# Altium PCB STM32-ROMI_Rev_A-Reworks.PcbDoc (part 1 of 2) (continued)
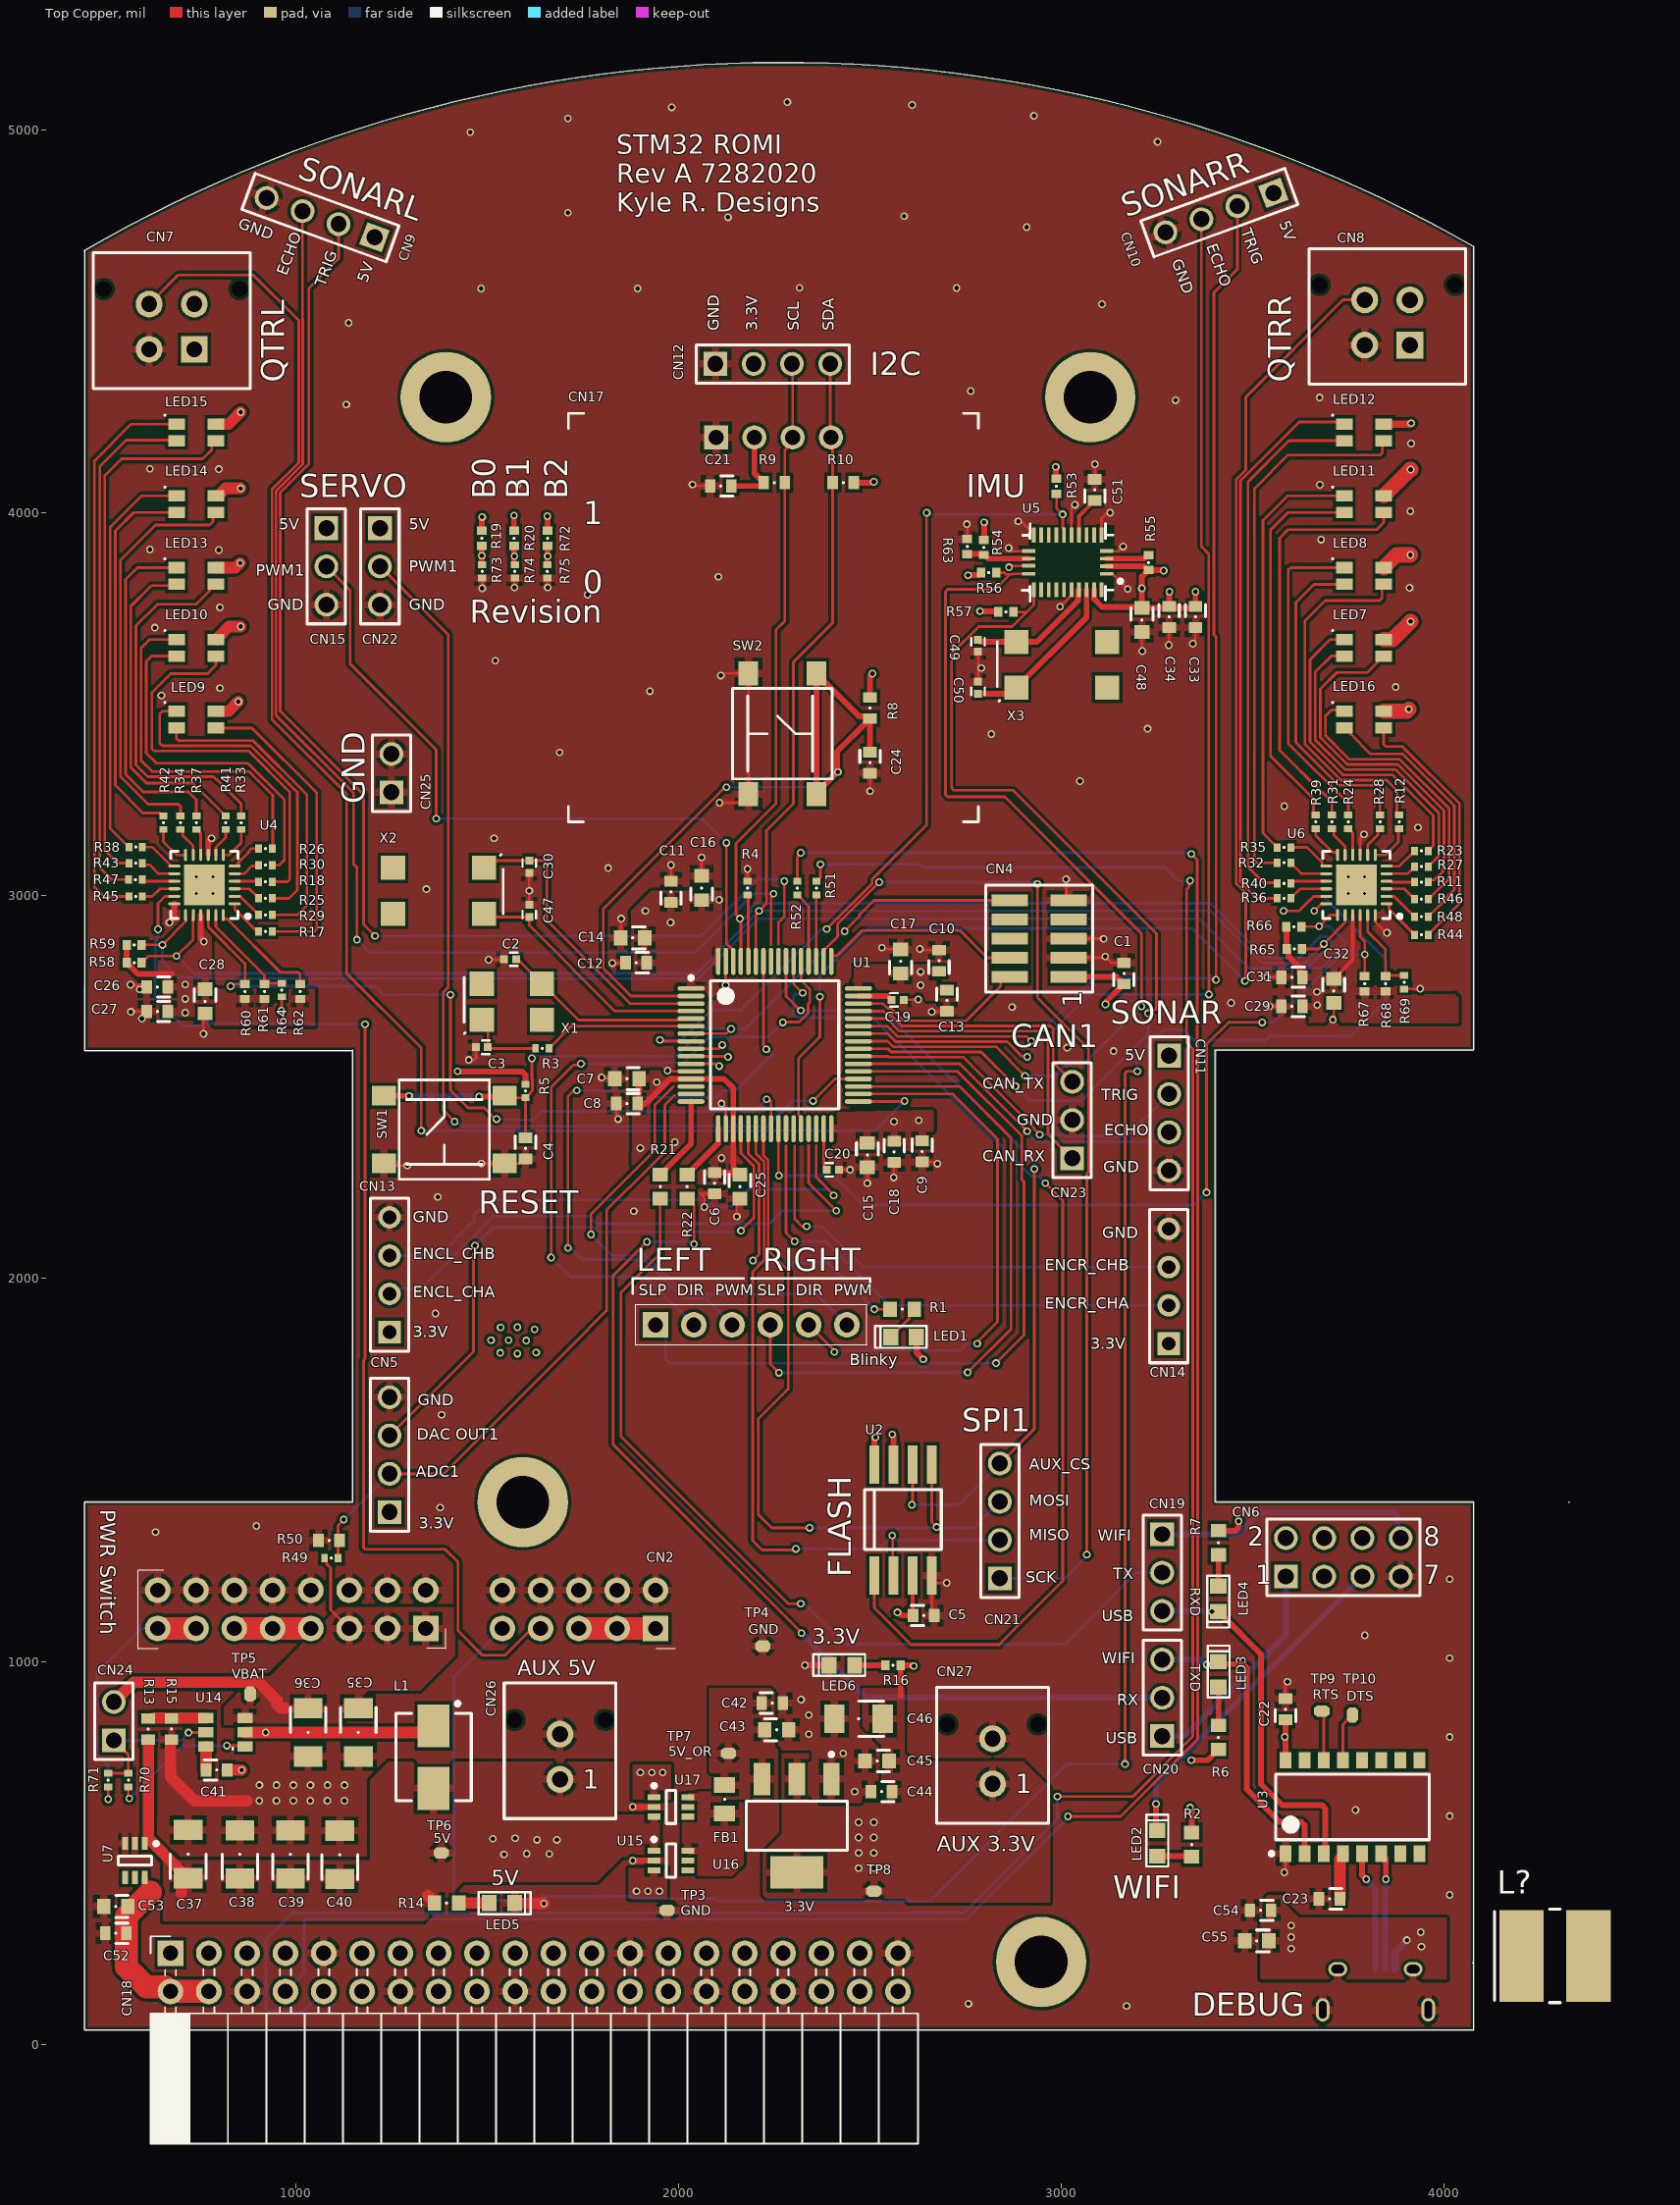
[diagram p0: Top Copper view]
## Part data (continued)
L1: library part "FIXED IND 3.3UH 5.5A 28 MOHM SMD", "Power Inductors 3.3uH ±20% 5.5A SMD,5.2x4.7x3mm RoHS", LCSC=C351097, Manufacturer Part=YSPI0530-3R3M, ComponentLink1Description=https://datasheet.lcsc.com/szlcsc/1812181731_YJYCOIN-YSPI0530-3R3M_C351097.pdf, ComponentLink1URL=https://datasheet.lcsc.com/szlcsc/1812181731_YJYCOIN-YSPI0530-3R3M_C351097.pdf
L?: library part L/4.7uH/3A, "FIXED IND 4.7UH 3A 37.6 MOHM SMD", Current Rating (Amps)=3A, Current Saturation (Amps)=4A, DC Resistance (DCR)="37.6mOhm Max", Manufacturer Part Number=SRN6045-4R7Y, Datasheet=https://www.bourns.com/data/global/pdfs/SRN6045.pdf, Inductance=4.7uH, Shielding=Semi-Shielded, Size / Dimension="0.236\" L x 0.236\" W (6.00mm x 6.00mm)"
LED1 LED2 LED3 LED4 LED5 LED6: library part LTST-C191KGKT, "LED GREEN CLEAR THIN 0603 SMD", Color=Green, Current - Test=20mA, Luminous Flux @ Current - Test=-, Manufacturer="Lite-On Inc", Millicandela Rating=35mcd, Package / Case="0603 (1608 Metric)", Supplier Part Number 1=160-1446-1-ND, Voltage - Forward (Vf) (Typ)=2V, Category=Optoelectronics, ComponentLink1Description=http://optoelectronics.liteon.com/upload/download/DS22-2000-228/S_110_LTST-C191KGKT.pdf, ComponentLink1URL=http://optoelectronics.liteon.com/upload/download/DS22-2000-228/S_110_LTST-C191KGKT.pdf, Height=0.55mm, Lens Style/Size="Rectangle with Flat Top, 1.1mm x 0.8mm", Lens Type=Clear, Manufacturer Part Number=LTST-C191KGKT, Mounting Type="Surface Mount", Packaging="Cut Tape (CT)", Pricing 1="1=0.3, 10=0.238, 100=0.1296, 250=0.0864, 500=0.07344, 1000=0.05616, 2500=0.05076 (USD)", RoHS="RoHS Compliant", Size / Dimension="1.60mm L x 0.80mm W", Stock 1=84829, Supplier 1=Digi-Key, Viewing Angle=130°, Wavelength - Dominant=571nm, Wavelength - Peak=574nm
LED7 LED8 LED9 LED10 LED11 LED12 LED13 LED14 LED15 LED16: library part "RGB LED", "RGB 620NMRED, 520NMGREEN, 465NMBLUE SMD,", Supplier Part Number 1=C375571, ComponentLink1Description=Datasheet, ComponentLink1URL=https://datasheet.lcsc.com/szlcsc/1912111437_EKINGLUX-E6C1206RGBC3UDA_C375571.pdf, Supplier 1=LCSC
R1: "576OHMS ±1% 1/10W 0603", Manufacturer Part Number=0603WAF5760T5E, Part Size=0603, Part Supplier 1=LCSC
R2 R6 R7 R14: library part "RES 1K OHM 1% 1/10W 0603", "1.0K 0603", Manufacturer="Stackpole Electronics Inc.", Manufacturer Part Number=RMCF0603FT1K00, Operating Temperature="-55°C ~ 155°C", Package / Case=0603, Power (Watts)="0.1W, 1/10W", Resistance (Ohms)=1.0k, Supplier Part Number 1=RMCF0603FT1K00CT-ND, Temperature Coefficient=±100ppm/°C, Tolerance=±1%, Category=Resistors, ComponentLink1Description=https://www.seielect.com/Catalog/SEI-RMCF_RMCP.pdf, ComponentLink1URL=https://www.seielect.com/Catalog/SEI-RMCF_RMCP.pdf, Composition="Thick Film", Failure Rate=-, Features="Automotive AEC-Q200", Height - Seated (Max)="0.022\" (0.55mm)", Packaging="Cut Tape (CT)", Part Status=Active, Pricing 1="1=0.1, 10=0.02, 100=0.0081, 1000=0.00364, 2500=0.00316 (USD)", RoHS="RoHS Compliant", Size / Dimension="0.061\" L x 0.031\" W (1.55mm x 0.80mm)", Stock 1=411308, Supplier 1=Digi-Key, Supplier Device Package=0603
R3: library part "RES 220 OHM 1% 1/10W 0402", "220 0402", Manufacturer="Panasonic Electronic Components", Manufacturer Part Number=ERJ-2RKF2200X, Operating Temperature="-55°C ~ 155°C", Package / Case="0402 (1005 Metric)", Power (Watts)="0.1W, 1/10W", Supplier Device Package=0402, Supplier Part Number 1=P220LCT-ND, Temperature Coefficient=±100ppm/°C, Tolerance=±1%, Category=Resistors, ComponentLink1Description=http://industrial.panasonic.com/www-cgi/jvcr13pz.cgi?E+PZ+3+AOA0002+ERJ2RKF2200X+7+WW, ComponentLink1URL=http://industrial.panasonic.com/www-cgi/jvcr13pz.cgi?E+PZ+3+AOA0002+ERJ2RKF2200X+7+WW, Composition="Thick Film", Creator=osman, Features="Automotive AEC-Q200", Height="0.016\" (0.40mm)", Number of Terminations=2, Packaging="Cut Tape (CT)", Pricing 1="1=0.1, 50=0.0196, 100=0.0149, 250=0.01104, 500=0.00816, 1000=0.00544, 5000=0.00383 (USD)", Resistance (Ohms)=220, RoHS="RoHS Compliant", Size / Dimension="0.039\" L x 0.020\" W (1.00mm x 0.50mm)", Stock 1=372365, Supplier 1=Digi-Key
R4 R51 R52 R64 R69 R71 R73 R74 R75: library part "RES 0.0 OHM JUMPER 1/10W 0402", "0.0 0402", Manufacturer="Panasonic Electronic Components", Manufacturer Part Number=ERJ-2GE0R00X, Operating Temperature="-55°C ~ 155°C", Package / Case="0402 (1005 Metric)", Power (Watts)="0.1W, 1/10W", Resistance (Ohms)=0.0, Supplier Device Package=0402, Supplier Part Number 1=P0.0JCT-ND, Temperature Coefficient=-, Tolerance=Jumper, Category=Resistors, ComponentLink1Description=http://industrial.panasonic.com/www-cgi/jvcr13pz.cgi?E+PZ+3+AOA0001+ERJ2GE0R00X+7+WW, ComponentLink1URL=http://industrial.panasonic.com/www-cgi/jvcr13pz.cgi?E+PZ+3+AOA0001+ERJ2GE0R00X+7+WW, Composition="Thick Film", Creator=osman, Features="Automotive AEC-Q200", Height="0.016\" (0.40mm)", Number of Terminations=2, Packaging="Cut Tape (CT)", Pricing 1="1=0.1, 50=0.0138, 100=0.0105, 250=0.0078, 500=0.00576, 1000=0.00384, 5000=0.0027 (USD)", RoHS="RoHS Compliant", Size / Dimension="0.039\" L x 0.020\" W (1.00mm x 0.50mm)", Stock 1=8429476, Supplier 1=Digi-Key
R5 R49 R70: library part "RES 100K OHM 1% 1/16W 0402", Manufacturer=Yageo, Manufacturer Part Number=RC0402FR-07100KL, Operating Temperature="-55°C ~ 155°C", Package / Case="0402 (1005 Metric)", Power (Watts)="0.1W, 1/10W", Resistance (Ohms)=100k, Supplier Device Package=0402, Supplier Part Number 1=311-100KLRCT-ND, Temperature Coefficient=±100ppm/°C, Tolerance=±1%, Category=Resistors, ComponentLink1Description=http://industrial.panasonic.com/www-cgi/jvcr13pz.cgi?E+PZ+3+AOA0002+ERJ2RKF1003X+7+WW, ComponentLink1URL=http://industrial.panasonic.com/www-cgi/jvcr13pz.cgi?E+PZ+3+AOA0002+ERJ2RKF1003X+7+WW, Composition="Thick Film", Features="Automotive AEC-Q200", Height="0.016\" (0.40mm)", Number of Terminations=2, Packaging="Cut Tape (CT)", Pricing 1="1=0.1, 50=0.0196, 100=0.0149, 250=0.01104, 500=0.00816, 1000=0.00544, 5000=0.00383 (USD)", RoHS="RoHS Compliant", Size / Dimension="0.039\" L x 0.020\" W (1.00mm x 0.50mm)", Stock 1=3706939, Supplier 1=Digi-Key, Supplier 2=Digi-Key, Supplier Part Number 2=RMCF0402FT100KCT-ND
R8 R9 R10 R15 R50: library part "RES 10K OHM 1/10W 1% 0603 SMD", "10K 0603", Manufacturer="Panasonic Electronic Components", Manufacturer Part Number=ERJ-3EKF1002V, Package / Case=0603, Power (Watts)="0.1W, 1/10W", Resistance (Ohms)=10k, Supplier Part Number 1=P10.0KHCT-ND, Temperature Coefficient=±100ppm/°C, Tolerance=±1%, Category=Resistors, ComponentLink1Description=http://industrial.panasonic.com/www-cgi/jvcr13pz.cgi?E+PZ+3+AOA0002+ERJ3EKF1002V+7+WW, ComponentLink1URL=http://industrial.panasonic.com/www-cgi/jvcr13pz.cgi?E+PZ+3+AOA0002+ERJ3EKF1002V+7+WW, Composition="Thick Film", Features=-, Height="0.022\" (0.55mm)", Number of Terminations=2, Packaging="Cut Tape (CT)", Pricing 1="1=0.1, 50=0.015, 100=0.0114, 250=0.00844, 500=0.00624, 1000=0.00416, 2500=0.00351 (USD)", RoHS="RoHS Compliant", Size / Dimension="0.063\" L x 0.031\" W (1.60mm x 0.80mm)", Stock 1=5046430, Supplier 1=Digi-Key, Supplier Device Package=0603
R11 R12 R17 R18 R23 R24 R25 R26 R31 R32 R33 R34 R35 R36 R37 R38 R43 R44 R45 R46: library part "RES 604 OHM 1% 1/10W 0402", "604 0402", Manufacturer="Panasonic Electronic Components", Manufacturer Part Number=ERA-2AEB6040X, Operating Temperature="-55°C ~ 155°C", Package / Case="0402 (1005 Metric)", Power (Watts)="0.063W, 1/16W", Supplier Device Package=0402, Supplier Part Number 1=P604DCCT-ND, Temperature Coefficient=±25ppm/°C, Tolerance=±0.1%, Category=Resistors, ComponentLink1Description=https://industrial.panasonic.com/cdbs/www-data/pdf/RDM0000/AOA0000C307.pdf, ComponentLink1URL=https://industrial.panasonic.com/cdbs/www-data/pdf/RDM0000/AOA0000C307.pdf, Composition="Thin Film", Failure Rate=-, Features="Automotive AEC-Q200", Height - Seated (Max)="0.016\" (0.40mm)", Packaging="Cut Tape (CT)", Part Status=Active, Pricing 1="1=0.45, 10=0.321, 100=0.1283, 1000=0.06322, 2500=0.05858, 5000=0.053 (USD)", RoHS="RoHS Compliant", Size / Dimension="0.039\" L x 0.020\" W (1.00mm x 0.50mm)", Stock 1=12841, Supplier 1=Digi-Key
R13: library part "RES SMD 56.2K OHM 1% 1/10W 0603", "RES SMD 56.2K OHM 1% 1/10W 0603", Package / Case=0603, Power (Watts)=0.1W, Supplier Part Number 1=P56.2KHCT-ND, Temperature Coefficient=±100ppm/°C, Resistance=56.2K, Supplier 1=Digi-Key
R16: library part "RES 100 OHM 1% 1/16W 0402", "100 0402", Manufacturer=Yageo, Manufacturer Part Number=RC0402FR-07100RL, Operating Temperature="-55°C ~ 155°C", Package / Case="0402 (1005 Metric)", Power (Watts)="0.063W, 1/16W", Supplier Device Package=0402, Supplier Part Number 1=311-100LRCT-ND, Temperature Coefficient=±100ppm/°C, Tolerance=±1%, Category=Resistors, ComponentLink1Description=http://www.yageo.com/documents/recent/PYu-RC_Group_51_RoHS_L_8.pdf, ComponentLink1URL=http://www.yageo.com/documents/recent/PYu-RC_Group_51_RoHS_L_8.pdf, Composition="Thick Film", Failure Rate=-, Features="Moisture Resistant", Height - Seated (Max)="0.016\" (0.40mm)", Packaging="Cut Tape (CT)", Part Status=Active, Pricing 1="1=0.1, 10=0.014, 100=0.0056, 1000=0.00253, 2500=0.0022, 5000=0.00181 (USD)", RoHS="RoHS Compliant", Size / Dimension="0.039\" L x 0.020\" W (1.00mm x 0.50mm)", Stock 1=14557677, Supplier 1=Digi-Key
R19 R20 R53 R54 R55 R61 R62 R63 R68 R72: library part "RES 10K OHM 1% 1/16W 0402", "10K 0402", Manufacturer="Samsung Electro-Mechanics", Manufacturer Part Number=RC1005F103CS, Operating Temperature="-55°C ~ 155°C", Package / Case="0402 (1005 Metric)", Power (Watts)="0.063W, 1/16W", Supplier Device Package=0402, Supplier Part Number 1=1276-3431-1-ND, Temperature Coefficient=±100ppm/°C, Tolerance=±1%, Category=Resistors, ComponentLink1Description=http://www.samsungsem.com/kr/support/product-search/chip-resistor/RC1005F103CS.jsp, ComponentLink1URL=http://www.samsungsem.com/kr/support/product-search/chip-resistor/RC1005F103CS.jsp, Composition="Thick Film", Failure Rate=-, Features="Moisture Resistant", Height - Seated (Max)="0.016\" (0.40mm)", Packaging="Cut Tape (CT)", Part Status=Active, Pricing 1="1=0.1, 10=0.021, 100=0.0086, 1000=0.00385, 2500=0.00334, 5000=0.00276 (USD)", RoHS="RoHS Compliant", Size / Dimension="0.039\" L x 0.020\" W (1.00mm x 0.50mm)", Stock 1=25834562, Supplier 1=Digi-Key
R21 R22: library part "RES 0.0 OHM 1/4W JUMP 0603 SMD", Manufacturer="Vishay Dale", Manufacturer Part Number=CRCW06030000Z0EAHP, Package / Case=0603, Power (Watts)=1/4W, Resistance (Ohms)=0.0, Supplier Device Package="0603 (1608 Metric)", Supplier Part Number 1=541-0.0SBCT-ND, Temperature Coefficient=-, Tolerance=Jumper, Category=Resistors, ComponentLink1Description=http://www.vishay.com/docs/20043/crcwhpe3.pdf, ComponentLink1URL=http://www.vishay.com/docs/20043/crcwhpe3.pdf, Composition="Thick Film", Features="Automotive AEC-Q200 Qualified, Pulse Withstanding", Height="0.022\" (0.55mm)", Number of Terminations=2, Packaging="Cut Tape (CT)", Pricing 1="10=0.202, 50=0.1088, 200=0.0625, 1000=0.04263 (USD)", RoHS="RoHS Compliant", Size / Dimension="0.063\" L x 0.033\" W (1.60mm x 0.85mm)", Stock 1=204741, Supplier 1=Digi-Key
R27 R28 R29 R30 R39 R40 R41 R42 R47 R48: library part "RES 1K OHM 1% 1/16W 0402", "1K 0402", Case Code (Imperial)=0402, Case Code (Metric)=1005, Manufacturer=Yageo, Manufacturer Part Number=RC0402FR-071KL, Max Operating Temperature=155°C, Min Operating Temperature=-55°C, Power Rating=62.5mW, Supplier Part Number 1=311-1.00KLRCT-ND, Temperature Coefficient=100ppm/°C, Tolerance=1%, Voltage Rating=50V, Case/Package=0402, Category=Resistors, ComponentLink1Description=https://datasheet.ciiva.com/2453/pyu-r-int-thick-7-2453361.pdf, ComponentLink1URL=https://datasheet.ciiva.com/2453/pyu-r-int-thick-7-2453361.pdf, ComponentLink2Description=https://datasheet.ciiva.com/2453/pyu-r-int-thick-7-2453362.pdf, ComponentLink2URL=https://datasheet.ciiva.com/2453/pyu-r-int-thick-7-2453362.pdf, ComponentLink3Description=https://datasheet.ciiva.com/2453/pyu-r-int-thick-7-2453363.pdf, ComponentLink3URL=https://datasheet.ciiva.com/2453/pyu-r-int-thick-7-2453363.pdf, ComponentLink4Description=https://datasheet.ciiva.com/22747/1018594-22747509.pdf, ComponentLink4URL=https://datasheet.ciiva.com/22747/1018594-22747509.pdf, ComponentLink5Description=https://datasheet.ciiva.com/15189/getdatasheetpartid-323696-15189334.pdf, ComponentLink5URL=https://datasheet.ciiva.com/15189/getdatasheetpartid-323696-15189334.pdf, ComponentLink6Description=https://datasheet.ciiva.com/16740/pyu-rc0402-51-rohs-l-6-r-16740567.pdf, ComponentLink6URL=https://datasheet.ciiva.com/16740/pyu-rc0402-51-rohs-l-6-r-16740567.pdf, ComponentLink7Description=https://datasheet.ciiva.com/12667/pyu-rc0402-51-rohs-l-6-r-12667930.pdf, ComponentLink7URL=https://datasheet.ciiva.com/12667/pyu-rc0402-51-rohs-l-6-r-12667930.pdf, ComponentLink8Description=https://datasheet.ciiva.com/11819/0900766b80c66297-11819452.pdf, ComponentLink8URL=https://datasheet.ciiva.com/11819/0900766b80c66297-11819452.pdf, ComponentLink9Description=https://datasheet.ciiva.com/11819/0900766b80c66297-11819477.pdf, ComponentLink9URL=https://datasheet.ciiva.com/11819/0900766b80c66297-11819477.pdf, ComponentLink10Description=https://datasheet.ciiva.com/12666/pyu-rc0402-51-rohs-l-6-r-12666741.pdf, ComponentLink10URL=https://datasheet.ciiva.com/12666/pyu-rc0402-51-rohs-l-6-r-12666741.pdf, ComponentLink11Description=https://datasheet.ciiva.com/17063/pyu-rc0402-51-rohs-l-6-r-17063193.pdf, ComponentLink11URL=https://datasheet.ciiva.com/17063/pyu-rc0402-51-rohs-l-6-r-17063193.pdf, ComponentLink12Description=https://datasheet.ciiva.com/22747/1018594-22747513.pdf, ComponentLink12URL=https://datasheet.ciiva.com/22747/1018594-22747513.pdf, ComponentLink13Description=https://datasheet.ciiva.com/7849/1018594-7849869.pdf, ComponentLink13URL=https://datasheet.ciiva.com/7849/1018594-7849869.pdf, ComponentLink14Description=https://datasheet.ciiva.com/7983/1018594-7983502.pdf, ComponentLink14URL=https://datasheet.ciiva.com/7983/1018594-7983502.pdf, ComponentLink15Description=https://datasheet.ciiva.com/7849/1018594-7849871.pdf, ComponentLink15URL=https://datasheet.ciiva.com/7849/1018594-7849871.pdf, Composition="Thick Film", Depth=0.5mm, Height=0.32mm, Lead Free="Lead Free", Length=1mm, Military Standard=Not, Number of Pins=2, Package / Case=0402, Packaging="Tape and Reel", Pricing 1="1=0.1, 10=0.014, 100=0.0056, 1000=0.0025, 2500=0.0022, 5000=0.0018 (USD)", REACH SVHC=Unknown, Resistance=1K, Stock 1=21888659, Supplier 1=Digi-Key, Termination=SMD/SMT, Voltage Rating (DC)=50V, Width=0.5mm
R56 R57 R58 R59 R60 R65 R66 R67: library part "RES 4.7K OHM 1% 1/10W 0402", "4.7K 0402", Case Code (Imperial)=0402, Case Code (Metric)=1005, Manufacturer=Yageo, Manufacturer Part Number=RC0402FR-074K7L, Max Operating Temperature=155°C, Min Operating Temperature=-55°C, Power Rating=62.5mW, Resistance=4.7KR, Resistance (Ohms)=4.7k, Supplier Part Number 1=311-4.7KLRCT-ND, Temperature Coefficient=100ppm/°C, Tolerance=±1%, Voltage Rating=50V, Case/Package=0402, Category=Resistors, ComponentLink1Description=http://industrial.panasonic.com/www-cgi/jvcr13pz.cgi?E+PZ+3+AOA0002+ERJ2RKF4701X+7+WW, ComponentLink1URL=http://industrial.panasonic.com/www-cgi/jvcr13pz.cgi?E+PZ+3+AOA0002+ERJ2RKF4701X+7+WW, ComponentLink2Description=https://datasheet.ciiva.com/11819/0900766b80c66297-11819507.pdf, ComponentLink2URL=https://datasheet.ciiva.com/11819/0900766b80c66297-11819507.pdf, ComponentLink3Description=https://datasheet.ciiva.com/7850/1018594-7850022.pdf, ComponentLink3URL=https://datasheet.ciiva.com/7850/1018594-7850022.pdf, ComponentLink4Description=https://datasheet.ciiva.com/7850/1018594-7850023.pdf, ComponentLink4URL=https://datasheet.ciiva.com/7850/1018594-7850023.pdf, ComponentLink5Description=https://datasheet.ciiva.com/15215/getdatasheetpartid-328119-15215035.pdf, ComponentLink5URL=https://datasheet.ciiva.com/15215/getdatasheetpartid-328119-15215035.pdf, ComponentLink6Description=https://datasheet.ciiva.com/22661/1686128-22661342.pdf, ComponentLink6URL=https://datasheet.ciiva.com/22661/1686128-22661342.pdf, Composition="Thick Film", Depth=0.5mm, Height=0.32mm, Lead Free="Lead Free", Length=1mm, Military Standard=Not, Number of Pins=2, Package / Case=0402, Packaging="Tape and Reel", Pricing 1="1=0.1, 10=0.014, 100=0.0056, 1000=0.0025, 2500=0.0022, 5000=0.0018 (USD)", REACH SVHC="No SVHC", Stock 1=3132666, Supplier 1=Digi-Key, Termination=SMD/SMT, Width=0.5mm
SW1 SW2: library part "SW-PB SMD 5mm Red", "SWITCH TACTILE SPST-NO 0.05A 12V", Contact Rating @ Voltage="0.05A @ 12VDC", Illumination Type, Color=-, Manufacturer="C&K Components", Manufacturer Part Number="PTS645SK50SMTR92 LFS", Operating Force=260gf, Operating Temperature="-20°C ~ 60°C", Supplier Part Number 1=CKN9087CT-ND, Actuator Height off PCB, from Pins=5.00mm, Actuator Material="Polyamide (PA66), Nylon 6/6", Actuator Orientation="Top Actuated", Actuator Type=Standard, Category=Switches, Circuit=SPST-NO, ClassName=USwitch, ComponentLink1Description=http://www.ck-components.com/14409/pts645_25apr13.pdf/, ComponentLink1URL=http://www.ck-components.com/14409/pts645_25apr13.pdf/, Features=-, Illumination=Non-Illuminated, Illumination Voltage (Nominal)=-, Ingress Protection=-, LatestRevisionDate=17-Jul-2002, LatestRevisionNote="Re-released for DXP Platform.", Mechanical Life="100,000 Cycles", Mounting Type="Surface Mount", Outline="6.00mm x 6.00mm", PackageDescription="Switch; 2 Leads", PackageReference=SPST-2, Packaging="Cut Tape (CT)", Pricing 1="1=0.28, 10=0.271, 25=0.262, 50=0.2524, 100=0.2384, 250=0.2244, 500=0.21506 (USD)", Published=24-Mar-1999, Publisher="Altium Limited", RoHS="RoHS Compliant", Stock 1=24906, Supplier 1=Digi-Key, Switch Function=Off-Mom, Switch Travel=-, Termination Style="Gull Wing", Text="SW-PB SMD 5mm Red"
TP3 TP4 TP5 TP6 TP7 TP8 TP9 TP10: library part TestPoint, "Test Point"
U1: "IC MCU 32BIT 1MB FLASH 64LQFP", Manufacturer=STMicroelectronics, Operating Temperature="-40°C ~ 85°C (TA)", Package / Case=64-LQFP, Supplier Device Package="64-LQFP (10x10)", Supplier Part Number 1=497-11767-ND, Voltage - Supply (Vcc/Vdd)="1.8 V ~ 3.6 V", Category="Integrated Circuits (ICs)", ComponentLink1Description=http://www.st.com/web/en/resource/technical/document/datasheet/DM00037051.pdf, ComponentLink1URL=http://www.st.com/web/en/resource/technical/document/datasheet/DM00037051.pdf, Connectivity="CAN, I²C, IrDA, LIN, SPI, UART/USART, USB OTG", Core Processor="ARM® Cortex®-M4", Core Size=32-Bit, Data Converters="A/D 16x12b, D/A 2x12b", EEPROM Size=-, Manufacturer Part Number=STM32F405RGT6, Number of I/O=51, Oscillator Type=Internal, Packaging=Tray, Peripherals="Brown-out Detect/Reset, DMA, I²S, LCD, POR, PWM, WDT", Pricing 1="1=10.93, 10=10.044, 100=8.4825, 500=7.5458, 1000=6.92132 (USD)", Program Memory Size="1MB (1M x 8)", Program Memory Type=FLASH, RAM Size="192K x 8", RoHS="RoHS Compliant", Speed=168MHz, Stock 1=14614, Supplier 1=Digi-Key
U2: "16M NOR Flash", Manufacturer=Macronix, Manufacturer Part Number=MX25L1606EM2I-12G, Operating Temperature="-40°C ~ 85°C", Package / Case="8-SOIC (0.209\", 5.30mm Width)", Supplier Device Package=8-SOP, Supplier Part Number 1=1092-1135-ND, Voltage - Supply="2.7 V ~ 3.6 V", Category="Integrated Circuits (ICs)", ComponentLink1Description=http://www.macronix.com/Lists/ApplicationNote/Attachments/654/AN055-Migrate_to_MX25L1606E_and_MX25L8006E-1.2.pdf, ComponentLink1URL=http://www.macronix.com/Lists/ApplicationNote/Attachments/654/AN055-Migrate_to_MX25L1606E_and_MX25L8006E-1.2.pdf, Format - Memory=FLASH, Interface="SPI Serial", Memory Size="16M (16M x 1, 8M x 2)", Memory Type="FLASH - NOR", MPN=MX25L1606EM2I-12G, Packaging=Tube, PN=1092-1135-ND, Pricing 1="1=1.04, 10=0.947, 50=0.9292, 100=0.8309, 250=0.82368, 500=0.81168, 1000=0.7824, 2500=0.76032, 5000=0.7128 (USD)", RoHS="RoHS Compliant", Speed=86MHz, Stock 1=1520, Supplier 1=Digi-Key, Vendor=Digikey
U3: "USB to Serial UART", ComponentLink1Description="Sparkfun Demo Board", ComponentLink1URL=https://www.sparkfun.com/products/15096, ComponentLink2Description="LCSC Part Link", ComponentLink2URL=https://lcsc.com/product-detail/USB_CH340C_C84681.html
U4 U6: library part CMP-001-0784-04, "IC I/O EXPANDER I2C SMBUS 24VQFN", Case/Package=VQFN, Manufacturer="Texas Instruments", Max Operating Temperature=85°C, Max Supply Voltage=5.5V, Min Operating Temperature=-40°C, Min Supply Voltage=1.65V, Interface="I2C, SMBus", Lead Free="Lead Free", Manufacturer Part Number=TCA9555RGER, Number of I/Os=16, Number of Pins=24, Packaging="Cut Tape", REACH SVHC="No SVHC"
U5: library part CMP-010-0024-02, "9-Axis Intertial Sensor", Manufacturer="Bosch Tools", Maximum Operating Temperature="+ 85 C", Minimum Operating Temperature="- 40 C", Operating Supply Current="13.7 mA", Package / Case=LGA-28, Supply Voltage - Max="3.6 V", Supply Voltage - Min="2.4 V", Acceleration="2 g, 4 g, 8 g, 16 g", Bandwidth="1000 Hz", Brand="Bosch Sensortec", Component Name=BNO055, ComponentLink1Description=http://www.mouser.com/ds/2/621/BST_BNO055_DS000_12~1-531239.pdf, ComponentLink1URL=http://www.mouser.com/ds/2/621/BST_BNO055_DS000_12~1-531239.pdf, Interface="HID-I2C, I2C, UART", Manufacturer Part Number=BNO055, Minimum Order Quantity=1, Packaging=Bulk, Pin Count=28, Pricing 1="1=17.58, 5=16.75, 10=16.43, 25=15.20, 50=15.01, 100=14.26, 250=13.30, 500=12.64, 1000=11.63 (AUD)", Product Status="New at Mouser", Reeling=False, Resolution="16 bit", RoHS="RoHS Compliant", RoHS - Mouser=Y, Sensing Axis=9-axis, Sensitivity="1 LSB/mg", Stock 1=5828
U7 U15 U17: library part LM66100DCKT, "OR Controller P-Channel 1.5A CC"
U14: "IC REG BUCK ADJ 3A TSOT23-6", Current - Output=3A, Frequency - Switching=650KHZ, Supplier Device Package=TSOT-23-6, Supplier Part Number 1=296-40813-1-ND, Voltage - Input (Max)=17V, Voltage - Input (Min)=4.5V, Voltage - Output (Max)=7V, Voltage - Output (Min/Fixed)=0.765V, Manufacturer Part Number=TPS563209DDCR, Supplier 1=Digi-Key, Topology=Buck
U16: library part LD1117S33, "3.3 volt fixed regulator, 800mA", Supplier Part Number 1=497-1242-1-ND, Supplier 1=Digi-Key
X1: library part "CRYSTAL 8MHZ ABM3", "8Mhz ABM3 Parallel Load Crystal", ESR (Equivalent Series Resistance)="200 Ohm", Frequency=8MHz, Frequency Stability=±50ppm, Frequency Tolerance=±20ppm, Load Capacitance=18pF, Manufacturer="Abracon Corporation", Manufacturer Part Number=ABM3B-8.000MHZ-B2-T, Operating Mode=Fundamental, Operating Temperature="-20°C ~ 70°C", Package / Case="4-SMD, No Lead (DFN, LCC)", Ratings=-, Supplier Part Number 1=535-9720-1-ND, Category="Crystals and Oscillators", ClassName=MCU, ComponentLink1Description=http://www.abracon.com/Resonators/abm3b.pdf, ComponentLink1URL=http://www.abracon.com/Resonators/abm3b.pdf, Height="0.043\" (1.10mm)", Mounting Type="Surface Mount", Packaging="Cut Tape (CT)", Pricing 1="1=1.04, 10=0.92, 50=0.8588, 100=0.76, 500=0.7182 (USD)", RoHS="RoHS Compliant", Size / Dimension="0.197\" L x 0.126\" W (5.00mm x 3.20mm)", Stock 1=22545, Supplier 1=Digi-Key, Type="MHz Crystal"
X2 X3: library part "DST310S 32.768KHz", "SMD CRYSTAL RESONATORS 32.768KHZ ±20PPM SMD-3215_2P ROHS", Supplier Part Number 1=535-10240-1-ND, Supplier 1=Digi-Key, Supplier 2=LCSC, Supplier Part Number 2=C93232

## Free pads (board coordinates)
  round 236.22 hole 137.8 unplated: 0(1392,4302) 1(3075,4302) 2(1593,1416) 3(2947,215)

## Via types
v1: diameter 20, hole 12, Top Copper to Bottom Copper, 356 vias
v2: diameter 19.68, hole 7.87, Top Copper to Bottom Copper, 8 vias

## Nets (pads, with @x,y where several pads share a name; then routed paths per layer and width w, separated by ;. In a path a pad name is that pad's centre, name@x,y a point inside that pad or via, vN(x,y) a via of type N, cw(c..) or ccw(c..) an arc to the next point about the centre after c; other vN are vias at no path point)
3.3V: C1.1 C5.1 C6.1 C7.1 C8.1 C9.1 C10.1 C11.1 C12.1 C13.1 C14.1 C15.1 C16.1 C17.1 C18.1 C21.1 C22.1 C25.1 C26.1 C27.1 C28.1 C29.1 C31.1 C32.1 C33.1 C34.1 C44.1 C45.1 C46.1 C48.1 CN4.1 CN5.1 CN6.2 CN6.6 CN7.1 CN7.3 CN8.1 CN8.3 CN12.2 CN13.1 CN14.1 CN17.2 CN27.1 LED1.1 R2.2 R5.2 R6.2 R7.2 R8.2 R9.2 R10.2 R16.2 R19.2 R20.2 R53.2 R54.2 R55.2 R56.2 R57.2 R58.2 R59.2 R60.2 R61.2 R62.2 R65.2 R66.2 R67.2 R68.2 R72.2 TP8.1 U1.1 U1.13 U1.19 U1.32 U1.48 U1.64 U2.3 U2.7 U2.8 U3.16 U4.21 U5.3 U5.28 U6.21 U16.2 U16.4 | length 3718.9
  Top Copper w10: 751.81,2888.19 v1(760,2880) ; U2.3@2611,1224 2611,1121.44 C5.1@2612.44,1120 ; C32.1@3711,2782.86 3712.97,2782.86 3725.69,2795.57 3725.69,2797.54 3760.42,2832.28 U6.21@3760.42,2949.1
  Top Copper w15: R59.2@558.39,2871.5 R58.2@558.39,2824.5 558.39,2822.54 564.22,2816.71 566.19,2816.71 587.68,2795.22 676.51,2795.22 ; 751.81,2888.19 U4.21@751.81,2949.1 ; v1(1422.5,2541) 1591.21,2541 1600,2532.21 R5.2@1600,2507.72 ; R19.2@1486,3953 1486,3986.65 1487,3987.65 v1(1487,3989) ; R20.2@1570,3953 v1(1570,3993) ; v1(1657,3991) 1657,3989.65 1658,3988.65 R72.2@1658,3953 ; C8.1@1892.56,2457 1896.5,2460.94 C7.1@1896.5,2522 ; C8.1@1899.62,2444 1899.62,2445.97 1909.84,2456.19 1911.81,2456.19 1963,2507.38 1963,2508 1976.42,2521.42 U1.13@2032.5,2521.42 2118.58,2521.42 2142.73,2497.27 U1.19@2142.73,2391.5 2142.73,2290.5 2147.81,2285.42 2147.81,2281.71 C25.1@2152.97,2276.56 ; C6.1@2094,2276.56 C25.1@2152.97,2276.56 ; C21.1@2137.56,4070 R9.2@2216.16,4070 ; C25.1@2158.03,2271.5 C25.1@2152.97,2276.56 ; CN17.2@2198,4197 2198,4103.24 2212.22,4089.01 2216.16,4089.01 2222.44,4082.73 R9.2@2222.44,4078.8 ; R10.2@2457.56,4078.8 2506.44,4078.8 2508.65,4081 v1(2510,4081) ; R8.2@2500,3517.56 2500,3572.65 2506,3578.65 v1(2506,3580) ; U2.8@2511,1514 2511,1580.65 2514,1583.65 v1(2514,1585) ; v1(2558,1593) 2558,1591.65 2561,1588.65 U2.7@2561,1514 ; v1(2571.57,1127.97) 2574.38,1127.97 2582.35,1120 C5.1@2612.44,1120 ; 2580,910 2579.69,910.31 R16.2@2579.69,990 2609.29,990 2611.29,988 v1(2614,988) ; LED1.1@2621,1847 2621,1807 v1(2639,1789) ; v1(2756,3837) 2783,3837 R56.2@2790,3844 ; v1(2787,3743) 2833.31,3743 R57.2@2835.31,3741 ; R54.2@2797,3929.37 2798,3930.37 v1(2798,3975) ; v1(2985,4120) 2985,4091.06 R53.2@2987,4089.06 ; CN4.1@3018.77,2788 3144,2788 3152.78,2779.21 3152.78,2775.72 C1.1@3159.06,2769.44 ; U5.28@3085.06,3799 3085.06,3774.94 3106,3754 3207.62,3754 C48.1@3210,3751.62 ; v1(3115,2716) 3115.96,2716.96 3115.96,2722.4 3152.78,2759.22 3152.78,2763.16 C1.1@3159.06,2769.44 ; U5.3@3117.54,3860.52 3214.83,3860.52 R55.2@3225.03,3850.31 ; C1.1@3163,2769.44 C1.1@3159.06,2769.44 ; v1(3267,3849) 3265.65,3849 3264.33,3850.31 R55.2@3227,3850.31 R55.2@3225.03,3850.31 ; C34.1@3281,3755.56 3281,3791.65 3282,3792.65 v1(3282,3794) ; v1(3336,618) 3336,616.65 3340,612.65 R2.2@3340,552.99 ; v1(3339,742) 3382,742 3397.81,757.81 3397.81,759.78 3408.03,770 R6.2@3410,770 ; v1(3350,3794) C33.1@3350,3755.56 3346.06,3751.62 C48.1@3210,3751.62 ; R7.2@3410,1341.5 3453.97,1341.5 3462.76,1350.28 3462.76,1366.24 v1(3462.59,1366.41) ; U3.16@3585,742.05 3585,799.65 3583,801.65 v1(3583,803) 3583,804.35 3585,806.35 C22.1@3585,847.44 ; R66.2@3587.38,2919 3587.38,2861.94 R65.2@3588.31,2861 3593.08,2856.24 3593.08,2840.92 3621.92,2812.08 3621.92,2794.63 C31.1@3629.56,2787 ; C48.1@3210,3751.62 v1(3210,3803) 3210,3833.31 3221.7,3845.02 3221.7,3846.99 R55.2@3225.03,3850.31
  other v1: 2470,460 2510,460 2470,500 2510,500 2470,540 2510,540 2470,580 2510,580 2112,2315 1900,2341 2562.31,2409.69 2627,2413 1943,2513 711.39,2694.5 3668,2714 711.39,2730.5 3667,2749 2632,2766 711.39,2768 2632,2801 1979,2930 1913,2960 2106,2989
5V: C37.1 C38.1 C39.1 C40.1 CN9.1 CN10.1 CN11.1 CN15.1 CN22.1 CN26.1 L1.2 LED7.2 LED8.2 LED9.2 LED10.2 LED11.2 LED12.2 LED13.2 LED14.2 LED15.2 LED16.2 R13.1 R14.2 TP6.1 U7.1 U15.1 U17.3 | length 7909.4
  Top Copper w20: LED12.2@3841.57,4231.65 3910.65,4231.65 v1(3913,4234)
  Top Copper w30: R13.1@614.5,795.93 615,795.43 615,538.01 696.6,456.41 696.6,445.58 708.17,434.01 C37.1@713,434.01 ; 701.43,395 701.43,422.43 C37.1@713,434.01 ; C37.1@719,434.01 C37.1@713,434.01 ; LED9.2@791.57,3481.65 824.65,3481.65 v1(850,3507) ; LED10.2@791.57,3669.15 797.99,3669.15 798.23,3669.39 798.23,3675.81 825.42,3703 v1(856,3703) ; LED13.2@791.57,3856.65 842.65,3856.65 v1(855,3869) ; LED14.2@791.57,4044.15 797.99,4044.15 798.23,4044.39 798.23,4046.19 816.04,4064 v1(856,4064) ; LED15.2@791.57,4231.65 824.65,4231.65 v1(856,4263) ; R14.2@1345,388.47 1362.5,370.97 R14.2@1362.5,369
  Top Copper w40: LED16.2@3841.57,3481.65 3901.65,3481.65 v1(3907,3487) ; LED7.2@3841.57,3669.15 3865.15,3669.15 v1(3912,3716) ; LED8.2@3841.57,3856.65 3874.92,3890 v1(3911,3890) ; LED11.2@3841.57,4044.15 3910.42,4113 v1(3912,4113)
  Power1 w40: 3511.5,3497.5 3522,3487 v1(3907,3487) ; 3553.39,3697 3572.39,3716 v1(3912,3716) ; 3553.39,3888 3555.39,3890 v1(3911,3890) ; 3553.39,4107 3559.39,4113 v1(3912,4113) ; 3553.39,4233 3554.39,4234 v1(3913,4234)
  Power1 w80: CN9.1@1205.78,4719.66 1366.05,4879.94 3492.09,4879.94 3536.76,4835.27 CN10.1@3553.39,4835.27 3553.39,4233 3553.39,4107 3553.39,3888 3553.39,3697 3553.39,3539.39 3511.5,3497.5 3281,3267 CN11.1@3281,2582
  other v1: 1544,496 1662,497 1603,498 1630,534 1682,534 1515,537 1573,538 1579,1804 1534,1806 1628,1807 1602,1838 1510,1839 1556,1839 1624,1867 1535,1872 1579,1873
5V_USB: C54.1 C55.1 CN16.1 U15.3 U17.1 | length 2186.7
  Power1 w100: v1(1900,710) v1(1930,710) v1(1958,710) 1954.04,706.04 1954.04,489.04 1950,485 v1(1950,400) ; v1@1919.02,390.98 3019.9,390.98 3130.88,280 v1(3600,280)
  Bottom Copper w20: CN16.1@3871.18,196.3 3871.18,241.18 v1(3902,272)
  other v1: 3600,250 3940,255 3938,293 3600,310 1890,400 1920,400
ADC_IN1: CN5.2 R49.1 R50.2 U1.30 | length 1658.5
  Top Copper w7: R49.1@1110.72,1270 1110.72,1312.16 R50.2@1114.56,1316 1110.43,1320.13 1110.43,1355.43 v1(1125.48,1370.48) ; CN5.2@1245,1490 1386,1490 1718,1822 1812,1916 1812,2178.8 1929.42,2296.21 1964,2330.8 1964,2453 1989.5,2478.5
  Bottom Copper w7: v1(1125.48,1370.48) CN5.2@1245,1490
BLINKY: R1.2 U1.21 | length 773.9
  Top Copper w7: U1.21@2182.1,2391.5 2182.1,2326.81 2210,2298.91 2210,2063 v1(2194,2047) ; v1(2511,1920) R1.2@2552.5,1920
  Bottom Copper w7: v1(2194,2047) 2194,2046.86 2199.86,2041 2390,2041 v1(2511,1920)
CAN_RX: CN23.1 U1.44 | length 863.8
  Top Copper w7: U1.44@2469.5,2678.9 2544.1,2678.9 2577,2646 2959.14,2646 2965,2640.14 2965,2377 CN23.1@3028,2314
CAN_TX: CN23.3 U1.45 | length 670.7
  Top Copper w7: U1.45@2485.24,2698.24 2500.66,2698.24 2500.89,2698 2534.67,2698 2540.27,2692.4 2549.69,2692.4 2582.59,2659.5 2970.59,2659.5 2978.5,2651.59 2978.5,2563.5 CN23.3@3028,2514
DAC_OUT1: CN5.3 U1.20 | length 1603.5
  Top Copper w7: CN5.3@1245,1590 1464,1809 1464,2064 1468,2068 v1(1468,2086) ; U1.20@2162.42,2391.5 2162.42,2327.4 2196.5,2293.32 2196.5,2183.21 2196.5,2158.5 v1(2163,2125)
  Bottom Copper w7: v1(1468,2086) 1515.5,2133.5 1778.66,2133.5 1790.16,2122 2160,2122 v1(2163,2125)
DTR: TP10.1 U3.13 | length 128.6
  Top Copper w7: U3.13@3735,742.05 3735,835 3749.57,849.57 3750,849.57 3760,859.57 TP10.1@3760,860
ECHO_CTR: CN11.3 U1.38 | length 907.1
  Top Copper w7: U1.38@2469.5,2560.79 2734.21,2560.79 v1(2910,2385)
  Bottom Copper w7: v1(2910,2385) 2910,2382.84 2935.34,2357.5 3246.81,2357.5 3271.31,2382 CN11.3@3281,2382
ECHOL: CN9.3 U1.27 | length 3321.6
  Top Copper w7: CN9.3@1017.84,4788.07 1017.84,4507.01 1018.5,4506.35 1018.5,4126.65 948.5,4056.65 948.5,3470.5 1151,3268 1151,3082 1160,3073 v1(1160,2885) ; 2241.16,2872 2241.16,2998.16 v1(2248,3005)
  Bottom Copper w7: v1(1160,2885) 1194,2851 2042,2851 2196,3005 v1(2248,3005)
ECHOR: CN10.3 U1.42 | length 3048.3
  Top Copper w7: U1.42@2469.5,2639.53 2545.29,2639.53 2565.82,2619 2858,2619 2896.32,2580.68 2908.75,2580.68 v1(2910.21,2579.21) ; CN10.3@3365.45,4766.86 3365.45,3911.55 3384.5,3892.5 3384.5,2792.78 3385,2792.28 v1(3385,2742)
  Bottom Copper w7: v1(2910.21,2579.21) 3082,2751 3091,2742 v1(3385,2742)
ENCL_CHA: CN13.2 U1.14 | length 1474
  Top Copper w7: 2339.58,2348 2339.58,2249.42 v1(2412,2177)
  Bottom Copper w7: CN13.2@1245,1960 1259.09,1960 1273.09,1974 1328,1974 1517,2163 1767,2163 1786.5,2143.5 2237.5,2143.5 2271,2177 v1(2412,2177)
ENCL_CHB: CN13.3 U1.15 | length 1413.2
  Top Copper w7: 2359.27,2348 2359.27,2264.73 2405,2219 v1(2405,2217)
  Bottom Copper w7: CN13.3@1245,2060 1375.4,2060 1465.92,2150.52 1465.92,2166.92 1504.5,2205.5 2074.66,2205.5 2093.16,2187 2136,2187 2182,2233 2389,2233 v1(2405,2217)
ENCR_CHA: CN14.2 U1.56 | length 1305.5
  Top Copper w7: 2280.53,2347 2280.53,2119.47 v1(2303,2097)
  Bottom Copper w7: v1(2303,2097) 2384,2097 2551,1930 CN14.2@3280,1930
ENCR_CHB: CN14.3 U1.57 | length 1219.3
  Top Copper w7: 2303,2346 2303,2155.86 2322.86,2136 v1(2334.43,2136)
  Bottom Copper w7: v1(2334.43,2136) 2376,2136 2482,2030 CN14.3@3280,2030